# Allegro board TNR_REV00_150306.brd (continued)
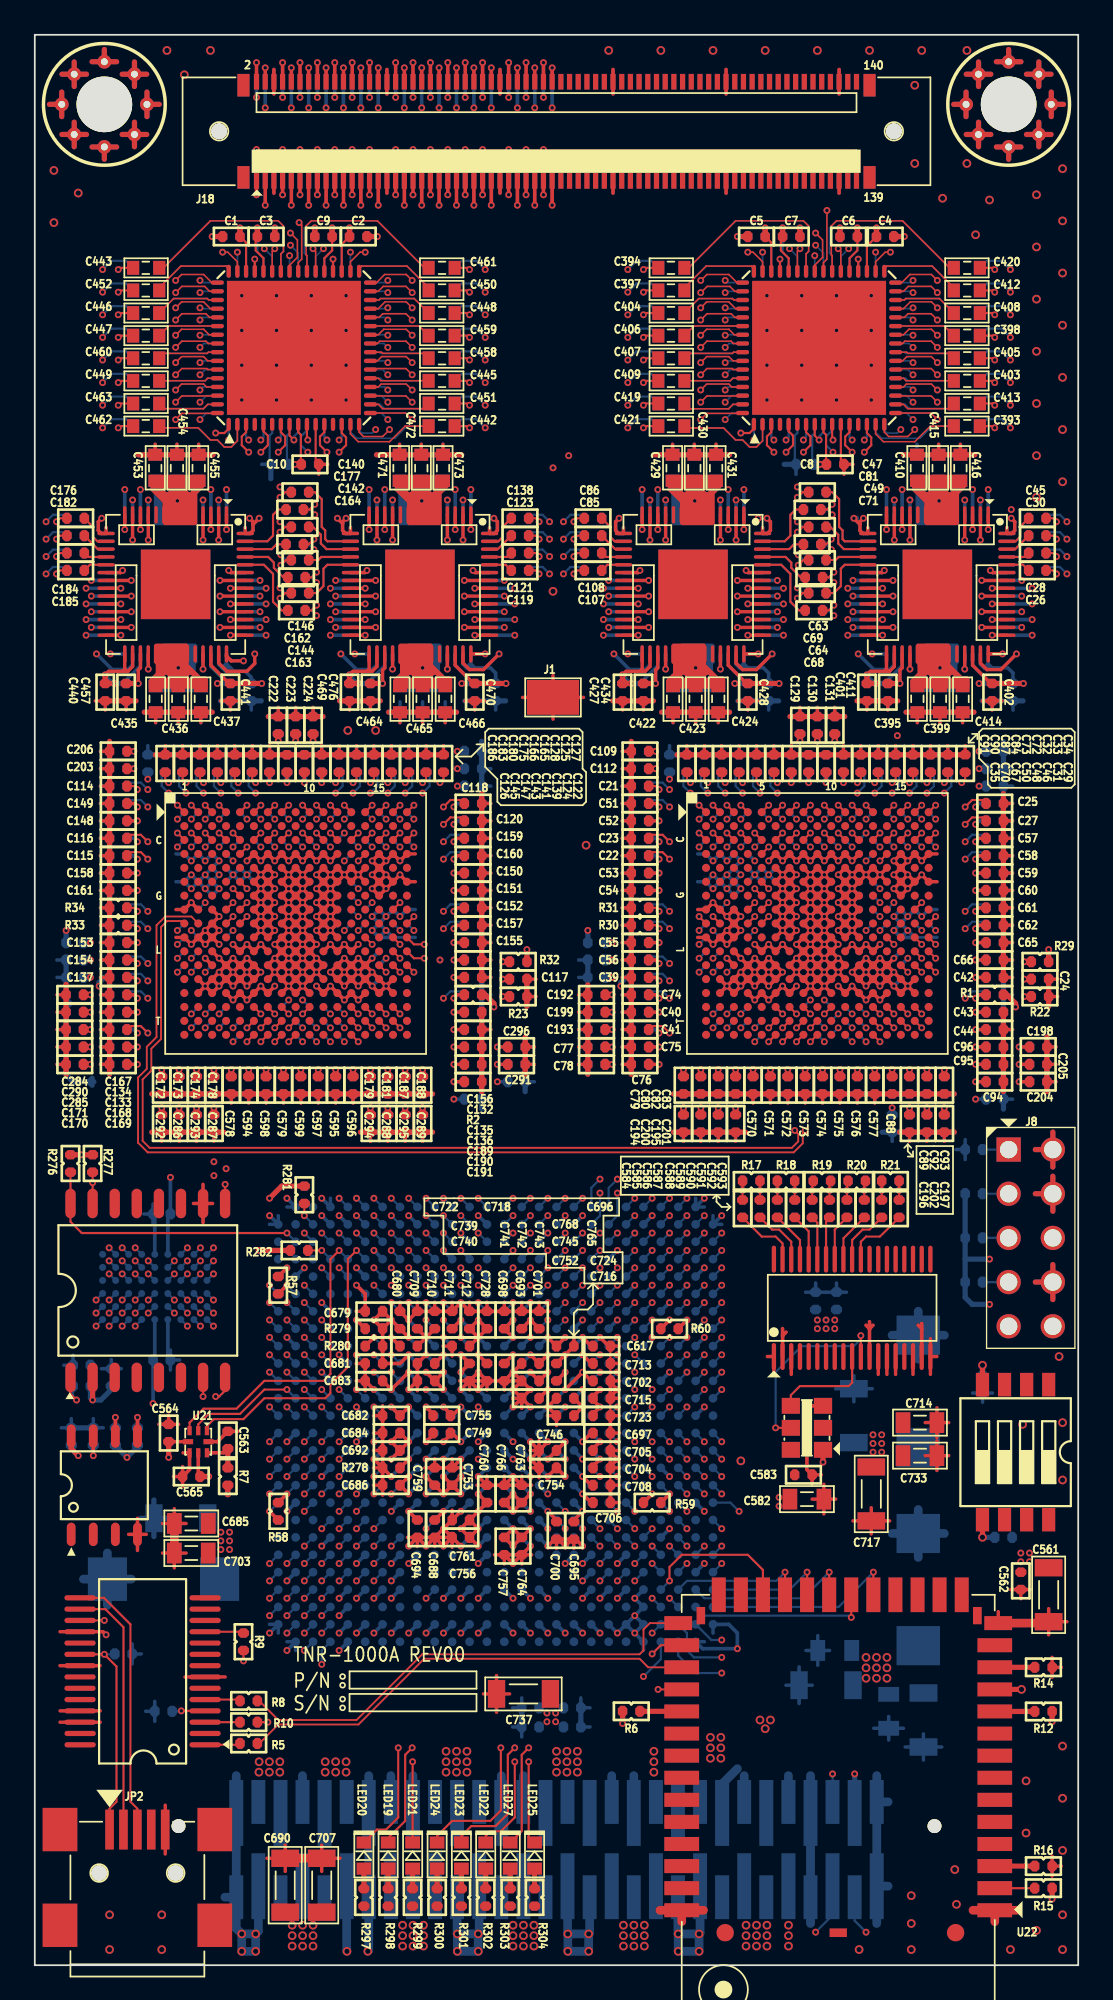
[diagram p0: board, top side]
## Routing (per net, layer and track width the routed paths; a pad name or vN(x,y) marks a point on that pad's centre or on a via; arc(x,y) is an arc through that point) (continued)
XDCR68: length 39.6
  TOP w0.095: v1(21.7,89.88) 21.34,90.23 19.32,90.23 U2.19
  12-IN w0.095: v1(21.7,89.88) 22.2,90.38 22.2,92.8 22.6,93.2 22.6,97.15 21.85,97.9 18,97.9 16.6,99.3 16.6,100 15.8,100.8 12.9,100.8 12.2,101.5 12.2,107.5 12.5,107.8 21.35,107.8 v1(21.75,107.4)
  BOTTOM w0.21: J19.104 v1(21.75,107.4)
XDCR69: length 39.5
  TOP w0.095: v1(51.9,91.45) 51.54,91.81 49.56,91.81 U1.22
  TOP w0.21: J18.39 v1(22.25,101.2)
  11-IN w0.095: v1(22.25,101.2) 22.25,100.55 24.2,98.6 39.17,98.6 40.87,96.9 48.5,96.9 49.5,95.9 49.5,93.4 50.3,92.6 50.75,92.6 v1(51.9,91.45)
XDCR70: length 19.5
  TOP w0.095: v1(21.7,91.45) 21.34,91.81 19.36,91.81 U2.22
  9-IN w0.095: v1(22.25,103.8) 22.25,101.75 21.7,101.2 21.7,99.2 19.8,97.3 19.8,91.3 20.1,91 20.55,91 21,91.45 v1(21.7,91.45)
  BOTTOM w0.21: J19.101 v1(22.25,103.8)
XDCR71: length 44.5
  TOP w0.095: v1(51.9,93.03) 51.54,93.38 50.03,93.38 49.9,93.25 U1.25
  TOP w0.21: J18.40 v1(22.25,109.1)
  11-IN w0.095: v1(22.25,109.1) 22.25,109.55 22.5,109.8 30.8,109.8 39.3,101.3 49.5,101.3 52.5,98.3 52.5,93.62 v1(51.9,93.03)
XDCR72: length 39.8
  TOP w0.095: U2.25 19.7,93.25 19.83,93.38 21.34,93.38 v1(21.7,93.03)
  12-IN w0.095: v1(22.25,106.8) 22.25,107.65 21.8,108.1 12.38,108.1 11.9,107.62 11.9,101.2 12.6,100.5 14.8,100.5 14.9,100.6 15.4,100.6 15.7,100.3 15.7,99.9 15.6,99.8 15.6,98.3 16.3,97.6 21.72,97.6 22.2,97.12 22.2,93.53 v1(21.7,93.03)
  BOTTOM w0.21: J19.102 v1(22.25,106.8)
XDCR73: length 36.2
  TOP w0.095: v1(51.9,94.6) 51.54,94.96 50.21,94.96 50,94.75 U1.28
  TOP w0.21: J18.41 v1(22.75,101.8)
  11-IN w0.095: v1(22.75,101.8) 22.75,100.65 24.4,99 39.33,99 41.03,97.3 48.7,97.3 50.3,95.7 50.8,95.7 v1(51.9,94.6)
XDCR74: length 15.5
  TOP w0.095: U2.28 19.8,94.75 20.01,94.96 21.34,94.96 v1(21.7,94.6)
  9-IN w0.095: v1(22.75,104.4) 22.75,102.65 23.3,102.1 23.3,101.8 22.8,101.3 22.8,99.4 21.2,97.8 21.2,95.1 v1(21.7,94.6)
  BOTTOM w0.21: J19.99 v1(22.75,104.4)
XDCR75: length 40
  TOP w0.095: U1.31 49.95,96.25 50.23,96.53 51.54,96.53 v1(51.9,96.17)
  TOP w0.21: J18.42 v1(22.75,109.4)
  11-IN w0.095: v1(51.9,96.17) 51.3,96.78 51.3,99 49.8,100.5 38.75,100.5 30.85,108.4 23.3,108.4 22.75,108.95 v1(22.75,109.4)
XDCR76: length 36.2
  TOP w0.095: v1(21.7,96.17) 21.34,96.53 20.03,96.53 19.75,96.25 U2.31
  12-IN w0.095: v1(22.75,107.4) 22.75,107.85 22.2,108.4 12.25,108.4 11.6,107.75 11.6,100.8 12.3,100.1 12.3,99.7 12.6,99.4 13.9,99.4 14.5,100 14.85,100 15.2,99.65 15.2,98.2 16.1,97.3 20.57,97.3 v1(21.7,96.17)
  BOTTOM w0.21: J19.100 v1(22.75,107.4)
XDCR77: length 31
  TOP w0.095: v1(49.2,98.5) 48.9,98.5 48.35,97.95 U1.34
  TOP w0.21: J18.43 v1(23.25,101.2)
  11-IN w0.095: v1(49.2,98.5) 48.4,97.7 41.2,97.7 39.5,99.4 24.6,99.4 23.25,100.75 v1(23.25,101.2)
XDCR78: length 13.8
  TOP w0.095: v1(19,98.5) 18.7,98.5 18.15,97.95 U2.34
  9-IN w0.095: v1(19,98.5) 19.5,98.5 20.2,99.2 20.2,104.5 20.65,104.95 22.85,104.95 23.25,104.55 v1(23.25,103.8)
  BOTTOM w0.21: J19.97 v1(23.25,103.8)
XDCR79: length 30.1
  TOP w0.095: v1(45.55,100.9) 45.55,98.1 45.35,97.9 U1.40
  TOP w0.21: J18.44 v1(23.25,109.1)
  11-IN w0.095: v1(45.55,100.9) 39,100.9 31.2,108.7 23.65,108.7 v1(23.25,109.1)
XDCR80: length 21.7
  TOP w0.095: v1(15.2,100.2) 15.35,100.05 15.35,98.1 15.15,97.9 U2.40
  4-IN w0.095: v1(15.2,100.2) 15.2,101.2 15.8,101.8 15.8,102.1 16.05,102.35 24.95,102.35 25.7,103.1 25.7,103.9 25.3,104.3 25.3,104.8 23.3,106.8 v1(23.25,106.8)
  BOTTOM w0.21: J19.98 v1(23.25,106.8)
XDCR81: length 24.2
  TOP w0.095: v1(44,98.7) 43.85,98.55 U1.43
  TOP w0.21: J18.45 v1(23.75,101.8)
  11-IN w0.095: v1(23.75,101.8) 23.75,100.95 24.9,99.8 41,99.8 41.5,99.3 43.4,99.3 v1(44,98.7)
XDCR82: length 20
  TOP w0.095: U2.43 13.65,98.55 v1(13.8,98.7)
  9-IN w0.095: v1(13.8,98.7) 13.4,99.1 13.4,100.3 13.8,100.7 13.8,104.6 14.45,105.25 23,105.25 23.75,104.5 v1(23.75,104.4)
  BOTTOM w0.21: J19.95 v1(23.75,104.4)
XDCR83: length 25.3
  TOP w0.095: U1.49 40.38,96.75 39.91,97.22 38.65,97.22 38.31,96.88 v1(38.29,96.88)
  TOP w0.21: J18.46 v1(23.75,109.4)
  9-IN w0.095: v1(38.29,96.88) 38.29,98.91 29.4,107.8 24.5,107.8 23.75,108.55 v1(23.75,109.4)
XDCR84: length 28.3
  TOP w0.095: v1(8.1,96.88) 8.44,97.22 9.71,97.22 10.18,96.75 U2.49
  4-IN w0.095: v1(23.75,107.4) 23.32,107.83 11.73,107.83 9.3,105.4 9.3,101.2 8.1,100 v1(8.1,96.88)
  BOTTOM w0.21: J19.96 v1(23.75,107.4)
XDCR85: length 20.9
  TOP w0.095: U1.52 40.3,95.25 39.91,95.64 38.63,95.64 v1(38.29,95.3)
  TOP w0.21: J18.47 v1(24.25,101.2)
  6-IN w0.095: v1(38.29,95.3) 34.59,99 26,99 24.25,100.75 v1(24.25,101.2)
XDCR86: length 25.9
  TOP w0.095: v1(8.1,95.3) 8.44,95.64 9.71,95.64 10.1,95.25 U2.52
  4-IN w0.095: v1(8.1,95.3) 8.45,95.65 8.45,99.65 12.05,103.25 23.7,103.25 v1(24.25,103.8)
  BOTTOM w0.21: J19.93 v1(24.25,103.8)
XDCR87: length 27.9
  TOP w0.095: v1(38.29,93.72) 38.63,94.07 39.91,94.07 40.23,93.75 U1.55
  TOP w0.21: J18.48 v1(24.25,109.1)
  9-IN w0.095: 38.31,93.72 v1(38.29,93.72) 38.8,94.23 38.8,98.9 29.6,108.1 24.75,108.1 24.25,108.6 v1(24.25,109.1)
XDCR88: length 34.4
  TOP w0.095: v1(8.1,93.72) 8.44,94.07 9.71,94.07 10.03,93.75 U2.55
  4-IN w0.095: v1(8.1,93.72) 7.5,94.33 7.5,100.1 8.9,101.5 8.9,105.6 11.43,108.13 23.82,108.13 24.25,107.7 v1(24.25,106.8)
  BOTTOM w0.21: J19.94 v1(24.25,106.8)
XDCR89: length 25.2
  TOP w0.095: U1.58 40.15,92.25 39.91,92.49 38.63,92.49 v1(38.29,92.15)
  TOP w0.21: J18.49 v1(24.75,101.8)
  6-IN w0.095: v1(24.75,101.8) 24.75,100.85 26.2,99.4 36.5,99.4 38.8,97.1 38.8,92.66 v1(38.29,92.15)
XDCR90: length 30.4
  TOP w0.095: v1(8.1,92.15) 8.44,92.49 9.71,92.49 9.95,92.25 U2.58
  4-IN w0.095: v1(8.1,92.15) 8.75,92.8 8.75,99.35 12.35,102.95 24.05,102.95 24.75,103.65 v1(24.75,104.4)
  BOTTOM w0.21: J19.91 v1(24.75,104.4)
XDCR91: length 33.6
  TOP w0.095: U1.61 40.08,90.75 39.91,90.92 38.63,90.92 v1(38.29,90.58)
  TOP w0.21: J18.50 v1(24.75,109.4)
  9-IN w0.095: v1(24.75,109.4) 24.75,108.75 25.1,108.4 29.8,108.4 40.65,97.55 40.65,91.65 40,91 38.72,91 v1(38.29,90.58)
XDCR92: length 37.7
  TOP w0.095: U2.61 9.88,90.75 9.71,90.92 8.44,90.92 v1(8.1,90.58)
  4-IN w0.095: v1(24.75,107.4) 24.75,107.85 24.17,108.43 11.18,108.43 8.5,105.75 8.5,101.8 7.1,100.4 7.1,91.58 v1(8.1,90.58)
  BOTTOM w0.21: J19.92 v1(24.75,107.4)
XDCR93: length 28.4
  TOP w0.095: v1(38.29,88.88) 38.65,89.23 40.68,89.23 U1.64
  TOP w0.21: J18.51 v1(25.25,101.2)
  6-IN w0.095: v1(38.29,88.88) 39.2,89.78 39.2,97.4 36.8,99.8 26.65,99.8 v1(25.25,101.2)
XDCR94: length 32.6
  TOP w0.095: v1(8.1,88.88) 8.46,89.23 10.48,89.23 U2.64
  4-IN w0.095: v1(25.25,103.8) 25.25,103.65 24.25,102.65 12.65,102.65 9.05,99.05 9.05,89.81 9.04,89.8 9.03,89.8 v1(8.1,88.88)
  BOTTOM w0.21: J19.89 v1(25.25,103.8)
XDCR95: length 34.4
  TOP w0.125: U1.3 42.35,88.15 42.1,87.9 42.1,87.4 v1(42.5,87)
  TOP w0.21: J18.52 v1(25.25,109.1)
  9-IN w0.095: v1(42.5,87) 41.9,87.6 41.9,88.4 41,89.3 41,97.6 29.9,108.7 25.65,108.7 v1(25.25,109.1)
XDCR96: length 47
  TOP w0.125: v1(12.3,87) 11.9,87.4 11.9,87.9 12.15,88.15 U2.3
  4-IN w0.095: v1(12.3,87) 9,87 6.6,89.4 6.6,100.6 8.1,102.1 8.1,105.9 10.93,108.73 24.47,108.73 25.25,107.95 v1(25.25,106.8)
  BOTTOM w0.21: J19.90 v1(25.25,106.8)
XDCR97: length 38.8
  TOP w0.21: J18.53 v1(25.75,101.8)
  4-IN w0.095: v1(11.15,87.7) 11.05,87.8 11.05,96.15 11.7,96.8 19.3,96.8 21.3,98.8 28.87,98.8 30.8,100.73 30.8,101.9 29.9,102.8 26.75,102.8 v1(25.75,101.8)
  BOTTOM w0.125: v1(11.15,87.7) U3.16
XDCR98: length 31.2
  12-IN w0.095: v1(25.75,104.4) 25.75,102.85 26.3,102.3 26.3,101.7 27.6,100.4 35.5,100.4 38.8,97.1 38.8,89 40.1,87.7 v1(41.35,87.7)
  BOTTOM w0.125: v1(41.35,87.7) U4.16
  BOTTOM w0.21: J19.87 v1(25.75,104.4)
XDCR99: length 38.9
  TOP w0.21: J18.54 v1(25.75,109.4)
  8-IN w0.095: v1(9.5,89.88) 8.6,90.78 8.6,97 7.8,97.8 7.8,106.27 10.23,108.7 25.5,108.7 25.75,108.95 v1(25.75,109.4)
  BOTTOM w0.095: v1(9.5,89.88) 9.88,90.25 U3.19
XDCR100: length 28.2
  9-IN w0.095: v1(25.75,107.4) 25.75,106.55 26.65,105.65 28.75,105.65 36.9,97.5 36.9,90.6 38.1,89.4 39.23,89.4 v1(39.7,89.88)
  BOTTOM w0.095: v1(39.7,89.88) 40.08,90.25 U4.19
  BOTTOM w0.21: J19.88 v1(25.75,107.4)
XDCR101: length 35.8
  TOP w0.21: J18.55 v1(26.25,101.2)
  4-IN w0.095: v1(9.5,91.45) 10.4,92.35 10.4,95.92 11.58,97.1 19.18,97.1 21.18,99.1 28.75,99.1 30.5,100.85 30.5,101.8 29.8,102.5 27.1,102.5 26.25,101.65 v1(26.25,101.2)
  BOTTOM w0.095: v1(9.5,91.45) 9.8,91.75 U3.22
XDCR102: length 25.1
  12-IN w0.095: v1(26.25,103.8) 26.25,103.05 26.7,102.6 26.7,101.7 27.6,100.8 35.9,100.8 39.2,97.5 39.2,91.95 v1(39.7,91.45)
  BOTTOM w0.095: U4.22 40,91.75 v1(39.7,91.45)
  BOTTOM w0.21: J19.85 v1(26.25,103.8)
XDCR103: length 35
  TOP w0.21: J18.56 v1(26.25,109.1)
  8-IN w0.095: v1(9.5,93.03) 9,93.53 9,97.2 8.2,98 8.2,106.2 10.3,108.3 25.7,108.3 26.25,108.85 v1(26.25,109.1)
  BOTTOM w0.095: U3.25 9.72,93.25 v1(9.5,93.03)
XDCR104: length 24.7
  9-IN w0.095: v1(39.7,93.03) 39.27,92.6 38.08,92.6 37.6,93.08 37.6,97.5 28.85,106.25 26.8,106.25 v1(26.25,106.8)
  BOTTOM w0.095: U4.25 39.92,93.25 v1(39.7,93.03)
  BOTTOM w0.21: J19.86 v1(26.25,106.8)
XDCR105: length 29.9
  TOP w0.21: J18.59 v1(27.25,101.8)
  4-IN w0.095: v1(9.5,94.6) 9.9,95 9.9,96 11.28,97.38 19.06,97.38 21.06,99.38 28.63,99.38 30.2,100.95 30.2,101.7 29.7,102.2 27.65,102.2 v1(27.25,101.8)
  BOTTOM w0.095: v1(9.5,94.6) 9.65,94.75 U3.28
XDCR106: length 22.7
  12-IN w0.095: v1(27.25,104.4) 27,104.15 27,103.3 28.1,102.2 35.3,102.2 40.3,97.2 40.3,95.2 v1(39.7,94.6)
  BOTTOM w0.095: v1(39.7,94.6) 39.85,94.75 U4.28
  BOTTOM w0.21: J19.81 v1(27.25,104.4)
XDCR107: length 32.9
  TOP w0.21: J18.60 v1(27.25,109.4)
  8-IN w0.095: v1(27.25,109.4) 27.25,109.25 25.9,107.9 10.4,107.9 8.6,106.1 8.6,98.4 9.9,97.1 9.9,96.58 v1(9.5,96.17)
  BOTTOM w0.095: v1(9.5,96.17) 9.57,96.25 U3.31
XDCR108: length 20
  3-IN w0.095: v1(27.25,107.4) 27.25,106.55 27.6,106.2 30.4,106.2 39.2,97.4 39.2,96.67 v1(39.7,96.17)
  BOTTOM w0.095: v1(39.7,96.17) 39.77,96.25 U4.31
  BOTTOM w0.21: J19.82 v1(27.25,107.4)
XDCR109: length 20.8
  TOP w0.21: J18.61 v1(27.75,101.2)
  4-IN w0.095: v1(27.75,101.2) 26.55,100 19.3,100 18.6,99.3 15.8,99.3 15.4,98.9 15.4,98.4 14.7,97.7 12.3,97.7 11.65,98.35 v1(11.65,98.5)
  BOTTOM w0.095: U3.34 v1(11.65,98.5)
XDCR110: length 19.1
  12-IN w0.095: v1(27.75,103.8) 27.75,103.55 28.7,102.6 38.4,102.6 41.85,99.15 v1(41.85,98.5)
  BOTTOM w0.095: U4.34 v1(41.85,98.5)
  BOTTOM w0.21: J19.79 v1(27.75,103.8)
XDCR111: length 34.2
  TOP w0.21: J18.62 v1(27.75,109.1)
  12-IN w0.095: v1(14.65,98.3) 14.05,97.7 11,97.7 9.7,99 9.7,106.7 11.7,108.7 27.35,108.7 v1(27.75,109.1)
  BOTTOM w0.095: U3.40 v1(14.65,98.3)
XDCR112: length 25.8
  4-IN w0.095: v1(44.85,98.3) 44.4,98.75 44.4,100.2 36.1,108.5 28.5,108.5 27.75,107.75 v1(27.75,106.8)
  BOTTOM w0.095: U4.40 v1(44.85,98.3)
  BOTTOM w0.21: J19.80 v1(27.75,106.8)
XDCR113: length 17
  TOP w0.21: J18.63 v1(28.25,101.8)
  4-IN w0.095: v1(28.25,101.8) 28.25,100.95 27,99.7 20.93,99.7 18.93,97.7 16.9,97.7 16.6,98 v1(16.6,98.7)
  BOTTOM w0.095: U3.43 16.15,98.25 v1(16.6,98.7)
XDCR114: length 25.7
  12-IN w0.095: v1(28.25,104.4) 28.25,103.65 28.9,103 44.3,103 46.8,100.5 v1(46.8,98.7)
  BOTTOM w0.095: v1(46.8,98.7) 46.35,98.25 U4.43
  BOTTOM w0.21: J19.77 v1(28.25,104.4)
XDCR115: length 42.1
  TOP w0.21: J18.64 v1(28.25,109.4)
  12-IN w0.095: v1(28.25,109.4) 27.85,109.8 12.38,109.8 9.4,106.82 9.4,98.88 11.4,96.88 v1(20.3,96.88)
  BOTTOM w0.095: U3.49 20.18,96.75 v1(20.3,96.88)
XDCR116: length 30
  4-IN w0.095: v1(28.25,107.4) 28.25,107.65 28.8,108.2 34.3,108.2 42.4,100.1 42.4,99.1 43.8,97.7 49.67,97.7 v1(50.5,96.88)
  BOTTOM w0.095: v1(50.5,96.88) 50.38,96.75 U4.49
  BOTTOM w0.21: J19.78 v1(28.25,107.4)
XDCR117: length 16.8
  TOP w0.21: J18.65 v1(28.75,101.2)
  9-IN w0.095: v1(28.75,101.2) 28.75,100.86 28.14,100.25 24.74,100.25 22.35,97.86 22.35,94.55 21.9,94.1 20.9,94.1 20.65,94.35 20.65,94.95 v1(20.3,95.3)
  BOTTOM w0.095: v1(20.3,95.3) 20.25,95.25 U3.52
XDCR118: length 30.3
  12-IN w0.095: v1(50.5,95.3) 50.9,95.7 50.9,99.2 46.7,103.4 29.15,103.4 v1(28.75,103.8)
  BOTTOM w0.095: U4.52 50.45,95.25 v1(50.5,95.3)
  BOTTOM w0.21: J19.75 v1(28.75,103.8)
XDCR119: length 45.4
  TOP w0.21: J18.66 v1(28.75,109.1)
  12-IN w0.095: v1(28.75,109.1) 28.75,109.63 28.28,110.1 12.25,110.1 9.1,106.95 9.1,98.75 11.35,96.5 18.2,96.5 19.2,95.5 19.2,94.83 v1(20.3,93.72)
  BOTTOM w0.095: v1(20.3,93.72) 20.27,93.75 U3.55
XDCR120: length 32.4
  4-IN w0.095: v1(50.5,93.72) 49.9,94.33 49.9,95.9 48.5,97.3 43,97.3 42.3,98 42.3,98.7 33.1,107.9 29.1,107.9 28.75,107.55 v1(28.75,106.8)
  BOTTOM w0.095: U4.55 50.48,93.75 v1(50.5,93.72)
  BOTTOM w0.21: J19.76 v1(28.75,106.8)
XDCR121: length 17.9
  TOP w0.21: J18.67 v1(29.25,101.8)
  9-IN w0.095: v1(20.3,92.15) 20.75,92.6 22,92.6 23,93.6 23,97.81 24.84,99.65 28.24,99.65 29.25,100.66 v1(29.25,101.8)
  BOTTOM w0.095: v1(20.3,92.15) 20.2,92.25 U3.58
XDCR122: length 33.9
  6-IN w0.095: v1(50.5,92.15) 50,92.65 50,98.1 50.5,98.6 50.5,99.6 48.3,101.8 32.6,101.8 30,104.4 v1(29.25,104.4)
  BOTTOM w0.095: v1(50.5,92.15) 50.4,92.25 U4.58
  BOTTOM w0.21: J19.73 v1(29.25,104.4)
XDCR123: length 49.1
  TOP w0.21: J18.68 v1(29.25,109.4)
  6-IN w0.095: v1(29.25,109.4) 28.85,109.8 12.4,109.8 8.8,106.2 8.8,98.4 10.3,96.9 17.9,96.9 19.7,95.1 19.7,91.17 v1(20.3,90.58)
  BOTTOM w0.095: v1(20.3,90.58) 20.12,90.75 U3.61
XDCR124: length 33.2
  4-IN w0.095: v1(29.25,107.4) 29.45,107.6 32.9,107.6 40.76,99.74 41.4,99.1 41.4,98.2 42.7,96.9 48.2,96.9 49.2,95.9 49.2,91.88 v1(50.5,90.58)
  BOTTOM w0.095: U4.61 50.33,90.75 v1(50.5,90.58)
  BOTTOM w0.21: J19.74 v1(29.25,107.4)
XDCR125: length 21.4
  TOP w0.21: J18.69 v1(29.75,101.2)
  9-IN w0.095: v1(29.75,101.2) 29.75,100.45 28.35,99.05 24.95,99.05 23.4,97.5 23.4,90.9 21.9,89.4 20.82,89.4 v1(20.3,88.88)
  BOTTOM w0.095: v1(20.3,88.88) 19.93,89.25 U3.64
XDCR126: length 35.1
  6-IN w0.095: v1(50.5,88.88) 49.6,89.78 49.6,99 49.1,99.5 49.1,100.2 47.9,101.4 32.15,101.4 v1(29.75,103.8)
  BOTTOM w0.095: U4.64 50.12,89.25 v1(50.5,88.88)
  BOTTOM w0.21: J19.71 v1(29.75,103.8)
XDCR127: length 53.7
  TOP w0.21: J18.70 v1(29.75,109.1)
  8-IN w0.095: v1(17.5,87.7) 16.5,88.7 10.9,88.7 10.2,89.4 7.9,89.4 7.4,89.9 7.4,106.4 10.9,109.9 29.5,109.9 29.75,109.65 v1(29.75,109.1)
  BOTTOM w0.125: U3.3 17.65,87.85 v1(17.5,87.7)
XDCR128: length 33.2
  4-IN w0.095: v1(47.7,87.7) 46.3,89.1 42.1,89.1 41.3,89.9 41.3,97.6 31.6,107.3 30.25,107.3 v1(29.75,106.8)
  BOTTOM w0.125: U4.3 47.85,87.85 v1(47.7,87.7)
  BOTTOM w0.21: J19.72 v1(29.75,106.8)
N15055357: length 2.3
  TOP w0.3: U22.10 R12.2
N15055545: length 12.9
  TOP w0.3: S1.5 v2(54.49,24.61) ; U22.11 v2(56.74,15.86)
  6-IN w0.3: v2(56.74,15.86) 54.49,18.11 v2(54.49,24.61)
  BOTTOM w0.3: R11.1 54.5,24.6 v2(54.49,24.61)
N15055705: length 2.3
  TOP w0.3: U22.12 R14.2
N15252190: length 1.7
  TOP w0.3: S1.4 v2(54.49,34.5)
  BOTTOM w0.3: v2(54.49,34.5) 54.49,34.4 54.5,34.39 R13.2
N16613517: length 15.8
  TOP w0.125: U23.15 3.98,21.12 5.5,19.6 5.5,9.4 5.9,9 JP2.3
N16613521: length 14.9
  TOP w0.125: JP2.2 5.1,19.43 4.06,20.48 2.31,20.48
N16614568: length 12.8
  TOP w0.125: JP2.1 4.3,9 4.7,9.4 4.7,17.18 v1(4,17.88) U23.20
  BOTTOM w0.125: v1(4,17.88) 4.58,17.88 C566.2
N16617741: length 1.7
  TOP w0.125: R5.1 11.72,12.68 10.09,12.68
N16617745: length 1.7
  TOP w0.125: 10.09,15.28 11.72,15.28 R8.1
N16617749: length 10.9
  TOP w0.125: U23.4 v1(8.43,14.62) ; U23.17 v1(4,19.82)
  6-IN w0.095: v1(4,19.82) 8.43,15.4 v1(8.43,14.62)
  BOTTOM w0.125: v1(8.43,14.62) 8.4,14.6 C567.2
N16673094: length 1.9
  TOP w0.125: 10.09,19.18 11.93,19.18 R9.1
N16673098: length 1.7
  TOP w0.125: 10.09,13.97 R10.1
N16750909: length 2.4
  TOP w0.3: R6.2 37.19,14.6 U22.31
N16892960: length 3.9
  3-IN w0.095: v1(6.5,56.6) 7.7,56.6 v1(8.2,57.1)
  BOTTOM w0.125: R3.1 5.5,57 6.1,57 v1(6.5,56.6) ; U10.M17 v1(8.2,57.1)
N16894204: length 10.2
  3-IN w0.095: v1(11.4,59.5) U10.K14 11,58.5 10.8,58.3 3.7,58.3 v1(3.2,57.8)
  BOTTOM w0.125: U10.K14 v1(11.4,59.5)
  BOTTOM w0.2: C210.1 v1(3.2,57.8)
N16894407: length 11.5
  3-IN w0.095: v1(17.8,63.5) U10.D5 22.4,63.9 22.6,64.1 24.2,64.1 24.5,64.4 24.5,67.6 v1(24.3,67.8)
  BOTTOM w0.125: U10.D5 v1(17.8,63.5) ; C207.1 v1(24.3,67.8)
N16894410: length 8.2
  3-IN w0.095: v1(23.5,63.6) 22.2,62.3 20,62.3 19.8,62.1 19.8,61.7 19.6,61.5 19,61.5 v1(18.6,61.1)
  BOTTOM w0.125: U10.G5 v1(18.6,61.1) ; v1(23.5,63.6) 23.9,64 24.5,64 C208.1
N16894413: length 8.4
  9-IN w0.095: v1(23.5,64.6) 22,63.1 19.2,63.1 19,62.9 19,62.3 v1(18.6,61.9)
  BOTTOM w0.125: C209.1 24.5,65 23.9,65 v1(23.5,64.6) ; U10.F5 v1(18.6,61.9)
N16894782: length 9.7
  9-IN w0.095: v1(6.5,67.6) 7,67.1 7,65.6 7.9,64.7 8.4,64.7 8.6,64.5 8.6,64.1 8.7,64 8.7,63.99 8.79,63.9 U10.D14 v1(11.4,63.5)
  BOTTOM w0.125: v1(6.5,67.6) 6.1,68 5.5,68 C211.1 ; U10.D14 v1(11.4,63.5)
N16971325: length 7.7
  3-IN w0.095: v1(5.17,84.85) 5.17,85.17 4.96,85.39 4.96,87.34 v1(3.9,88.4)
  BOTTOM w0.125: v1(3.9,88.4) 4.4,88.9 5.25,88.9 C477.1
  BOTTOM w0.21: U18.1 v1(5.17,84.85)
N16971363: length 9.3
  3-IN w0.095: v1(5.62,84.25) 5.62,85.12 5.24,85.51 5.24,88.59 4.76,89.06 4.54,89.06 v1(3.9,89.7)
  BOTTOM w0.125: C500.1 5.25,90.2 4.4,90.2 v1(3.9,89.7)
  BOTTOM w0.21: U18.2 v1(5.62,84.25)
N16971431: length 10.9
  3-IN w0.095: v1(6.08,84.85) 6.08,85.12 5.56,85.64 5.56,89.76 4.96,90.36 4.54,90.36 v1(3.9,91)
  BOTTOM w0.125: C482.1 5.25,91.5 4.4,91.5 v1(3.9,91)
  BOTTOM w0.21: 6.08,83.4 v1(6.08,84.85)
N16971435: length 12.4
  3-IN w0.095: v1(6.53,84.25) 6.53,85.1 5.86,85.76 5.86,90.76 4.96,91.66 4.54,91.66 v1(3.9,92.3)
  BOTTOM w0.125: v1(3.9,92.3) 4.4,92.8 5.25,92.8 C497.1
  BOTTOM w0.21: U18.4 v1(6.53,84.25)
N16971563: length 15
  3-IN w0.095: v1(3.9,93.6) 4.54,92.96 4.96,92.96 6.16,91.76 6.16,88.46 9.68,84.95 v1(9.68,84.25)
  BOTTOM w0.125: v1(3.9,93.6) 4.4,94.1 5.25,94.1 C484.1
  BOTTOM w0.21: 9.68,83.4 v1(9.68,84.25)
N16971567: length 16.5
  3-IN w0.095: v1(10.12,84.85) 10.12,85 6.46,88.66 6.46,91.96 5.31,93.11 5.31,93.91 4.96,94.26 4.54,94.26 v1(3.9,94.9)
  BOTTOM w0.125: C486.1 5.25,95.4 4.4,95.4 v1(3.9,94.9)
  BOTTOM w0.21: U18.12 v1(10.12,84.85)
N16971579: length 17.9
  3-IN w0.095: v1(3.9,96.2) 4.54,95.56 4.96,95.56 5.66,94.86 5.66,93.26 6.76,92.16 6.76,88.86 10.57,85.05 v1(10.57,84.25)
  BOTTOM w0.125: C499.1 5.25,96.7 4.4,96.7 v1(3.9,96.2)
  BOTTOM w0.21: U18.13 v1(10.57,84.25)
N16971583: length 19.4
  3-IN w0.095: v1(3.9,97.5) 4.54,96.86 4.96,96.86 5.96,95.86 5.96,93.46 7.06,92.36 7.06,88.94 11.03,84.97 v1(11.03,84.85)
  BOTTOM w0.125: v1(3.9,97.5) 4.4,98 5.25,98 C504.1
  BOTTOM w0.21: U18.14 v1(11.03,84.85)
N17055890: length 7.5
  3-IN w0.095: v1(34.92,84.85) 34.92,85.08 35,85.15 35,87.5 v1(34.1,88.4)
  BOTTOM w0.125: v1(34.1,88.4) 34.6,88.9 35.45,88.9 C526.1
  BOTTOM w0.21: 34.92,83.4 v1(34.92,84.85)
N17055892: length 9.1
  3-IN w0.095: v1(34.1,89.7) 34.7,89.1 35,89.1 35.38,88.72 v1(35.38,84.25)
  BOTTOM w0.125: v1(34.1,89.7) 34.6,90.2 35.45,90.2 C541.1
  BOTTOM w0.21: U19.2 v1(35.38,84.25)
N17055902: length 10.7
  3-IN w0.095: v1(35.83,84.85) 35.7,84.97 35.7,89.9 35.2,90.4 34.7,90.4 v1(34.1,91)
  BOTTOM w0.125: v1(34.1,91) 34.6,91.5 35.45,91.5 C537.1
  BOTTOM w0.21: U19.3 v1(35.83,84.85)
N17055904: length 12.2
  3-IN w0.095: v1(36.27,84.25) 36.27,85.1 36,85.38 36,90.9 35.2,91.7 34.7,91.7 v1(34.1,92.3)
  BOTTOM w0.125: C531.1 35.45,92.8 34.6,92.8 v1(34.1,92.3)
  BOTTOM w0.21: U19.4 v1(36.27,84.25)
N17055922: length 14.8
  3-IN w0.095: v1(39.42,84.25) 39.42,84.97 36.3,88.1 36.3,91.9 35.2,93 34.7,93 v1(34.1,93.6)
  BOTTOM w0.125: v1(34.1,93.6) 34.6,94.1 35.45,94.1 C532.1
  BOTTOM w0.21: 39.42,83.4 v1(39.42,84.25)
N17055924: length 16.3
  3-IN w0.095: v1(39.88,84.85) 39.88,85.03 36.6,88.3 36.6,92.9 35.2,94.3 34.7,94.3 v1(34.1,94.9)
  BOTTOM w0.125: v1(34.1,94.9) 34.6,95.4 35.45,95.4 C539.1
  BOTTOM w0.21: U19.12 v1(39.88,84.85)
N17055926: length 17.8
  3-IN w0.095: v1(40.33,84.25) 40.33,85.08 36.9,88.5 36.9,93.9 35.2,95.6 34.7,95.6 v1(34.1,96.2)
  BOTTOM w0.125: v1(34.1,96.2) 34.6,96.7 35.45,96.7 C534.1
  BOTTOM w0.21: U19.13 v1(40.33,84.25)
N17055928: length 19.3
  3-IN w0.095: v1(40.77,84.85) 40.77,85.12 37.2,88.7 37.2,94.9 35.2,96.9 34.7,96.9 v1(34.1,97.5)
  BOTTOM w0.125: v1(34.1,97.5) 34.6,98 35.45,98 C546.1
  BOTTOM w0.21: U19.14 v1(40.77,84.85)
N17057845: length 19.3
  3-IN w0.095: v1(25.9,97.5) 25.3,96.9 24.77,96.9 22.68,94.8 22.68,88.5 19.23,85.05 v1(19.23,84.85)
  BOTTOM w0.125: C478.1 24.55,98 25.4,98 v1(25.9,97.5)
  BOTTOM w0.21: U17.1 v1(19.23,84.85)
N17057847: length 17.8
  3-IN w0.095: v1(19.68,84.25) 19.68,85 22.98,88.3 22.98,93.8 24.77,95.6 25.3,95.6 v1(25.9,96.2)
  BOTTOM w0.125: C501.1 24.55,96.7 25.4,96.7 v1(25.9,96.2)
  BOTTOM w0.21: 19.68,83.4 v1(19.68,84.25)
N17057857: length 16.3
  3-IN w0.095: v1(25.9,94.9) 25.3,94.3 24.77,94.3 23.27,92.8 23.27,88.1 20.12,84.95 v1(20.12,84.85)
  BOTTOM w0.125: v1(25.9,94.9) 25.4,95.4 24.55,95.4 C496.1
  BOTTOM w0.21: U17.3 v1(20.12,84.85)
N17057859: length 14.8
  3-IN w0.095: v1(20.57,84.25) 20.57,84.9 23.57,87.9 23.57,91.8 24.77,93 25.3,93 v1(25.9,93.6)
  BOTTOM w0.125: v1(25.9,93.6) 25.4,94.1 24.55,94.1 C483.1
  BOTTOM w0.21: U17.4 v1(20.57,84.25)
N17057877: length 12.2
  3-IN w0.095: v1(25.9,92.3) 25.3,91.7 24.77,91.7 23.88,90.8 23.88,85.4 23.73,85.25 v1(23.73,84.25)
  BOTTOM w0.125: C485.1 24.55,92.8 25.4,92.8 v1(25.9,92.3)
  BOTTOM w0.21: U17.11 v1(23.73,84.25)
N17057879: length 10.7
  3-IN w0.095: v1(25.9,91) 25.3,90.4 24.77,90.4 24.18,89.8 v1(24.18,84.85)
  BOTTOM w0.125: C502.1 24.55,91.5 25.4,91.5 v1(25.9,91)
  BOTTOM w0.21: 24.18,83.4 v1(24.18,84.85)
N17057881: length 9.4
  3-IN w0.095: v1(24.62,84.25) 24.62,85.08 24.48,85.22 24.48,88.8 24.77,89.1 25.3,89.1 v1(25.9,89.7)
  BOTTOM w0.125: v1(25.9,89.7) 25.4,90.2 24.55,90.2 C491.1
  BOTTOM w0.21: U17.13 v1(24.62,84.25)
N17057883: length 7.5
  3-IN w0.095: v1(25.9,88.4) 25.07,87.58 v1(25.07,84.85)
  BOTTOM w0.125: v1(25.9,88.4) 25.4,88.9 24.55,88.9 C505.1
  BOTTOM w0.21: U17.14 v1(25.07,84.85)
N17058113: length 19.4
  3-IN w0.095: v1(56.1,97.5) 55.46,96.86 55.04,96.86 53.01,94.84 53.01,89.14 48.98,85.1 v1(48.98,84.85)
  BOTTOM w0.125: C527.1 54.75,98 55.6,98 v1(56.1,97.5)
  BOTTOM w0.21: U20.1 v1(48.98,84.85)
N17058115: length 17.9
  3-IN w0.095: v1(49.42,84.25) 49.42,85.05 53.31,88.94 53.31,93.84 55.04,95.56 55.46,95.56 v1(56.1,96.2)
  BOTTOM w0.125: C542.1 54.75,96.7 55.6,96.7 v1(56.1,96.2)
  BOTTOM w0.21: U20.2 v1(49.42,84.25)
N17058117: length 16.5
  3-IN w0.095: v1(49.88,84.85) 49.88,85 53.61,88.74 53.61,92.84 55.04,94.26 55.46,94.26 v1(56.1,94.9)
  BOTTOM w0.125: C535.1 54.75,95.4 55.6,95.4 v1(56.1,94.9)
  BOTTOM w0.21: U20.3 v1(49.88,84.85)
N17058127: length 15
  3-IN w0.095: v1(56.1,93.6) 55.46,92.96 55.04,92.96 53.91,91.84 53.91,88.54 50.33,84.95 v1(50.33,84.25)
  BOTTOM w0.125: v1(56.1,93.6) 55.6,94.1 54.75,94.1 C544.1
  BOTTOM w0.21: U20.4 v1(50.33,84.25)
N17058145: length 13.3
  3-IN w0.095: 55.46,91.66 55.04,91.66 54.21,90.84 54.21,85.91 53.48,85.17 v1(53.48,84.25) ; 55.46,91.66 v1(56.1,92.3) ; 55.46,91.66 55.54,91.66 56.14,92.26
  BOTTOM w0.125: v1(56.1,92.3) 55.6,92.8 54.75,92.8 C533.1
  BOTTOM w0.21: U20.11 v1(53.48,84.25)
N17058147: length 10.9
  3-IN w0.095: v1(56.1,91) 55.46,90.36 55.04,90.36 54.51,89.84 54.51,85.71 53.92,85.12 v1(53.92,84.85)
  BOTTOM w0.125: v1(56.1,91) 55.6,91.5 54.75,91.5 C545.1
  BOTTOM w0.21: U20.12 v1(53.92,84.85)
N17058149: length 9.3
  3-IN w0.095: v1(54.38,84.25) 54.38,85.03 54.84,85.49 54.84,88.76 55.14,89.06 55.46,89.06 v1(56.1,89.7)
  BOTTOM w0.125: v1(56.1,89.7) 55.6,90.2 54.75,90.2 C540.1
  BOTTOM w0.21: U20.13 v1(54.38,84.25)
N17058151: length 7.7
  3-IN w0.095: v1(54.83,84.85) 55.1,85.12 55.1,87.4 v1(56.1,88.4)
  BOTTOM w0.125: C547.1 54.75,88.9 55.6,88.9 v1(56.1,88.4)
  BOTTOM w0.21: U20.14 v1(54.83,84.85)
N17108094: length 4.2
  TOP w0.125: U6.M17 v1(51.8,57.1)
  TOP w0.2: R1.1 54.3,55.8 v1(54.1,55.6)
  3-IN w0.095: v1(51.8,57.1) 52.6,57.1 v1(54.1,55.6)
N17108112: length 9.6
  TOP w0.125: U6.K14 v1(49.4,58.7)
  TOP w0.2: C24.1 v1(56.9,56.7)
  3-IN w0.095: v1(49.4,58.7) 49.8,58.3 49.8,57.7 50,57.5 52.7,57.5 52.9,57.3 56.3,57.3 v1(56.9,56.7)
N17108113: length 10.7
  TOP w0.125: U6.D5 v1(42.2,64.3) ; C21.1 35.7,67.8 v1(35.9,67.6)
  3-IN w0.095: v1(42.2,64.3) 41.8,64.7 37.7,64.7 37.2,65.2 35.9,65.2 35.5,65.6 35.5,67.2 v1(35.9,67.6)
N17108114: length 8
  TOP w0.125: v1(36.5,63.6) 36.1,64 35.5,64 C22.1 ; U6.G5 v1(41.4,61.9)
  3-IN w0.095: v1(41.4,61.9) 41,62.3 41,62.9 40.8,63.1 37,63.1 v1(36.5,63.6)
N17108115: length 9.7
  TOP w0.125: v1(36.5,64.6) 36.1,65 35.5,65 C23.1 ; U6.F5 v1(42.2,61.9)
  3-IN w0.095: v1(36.5,64.6) 37.2,63.9 41.6,63.9 41.8,63.7 U6.F5 v1(42.2,61.9)
N17108123: length 9
  TOP w0.125: v1(53.5,66.6) 53.9,67 54.5,67 C25.1 ; U6.D14 v1(48.6,63.5)
  9-IN w0.095: v1(48.6,63.5) U6.D14 52.1,63.9 53.1,64.9 53.1,66.2 v1(53.5,66.6)
N17114740: length 3.9
  3-IN w0.095: v1(38.2,57.1) 37.7,56.6 v1(36.5,56.6)
  BOTTOM w0.125: v1(36.5,56.6) 36.1,57 35.5,57 R4.1 ; U11.M17 v1(38.2,57.1)